# Allegro board ADRV9371-N_PCBZ_Layout_RevB.brd (continued)
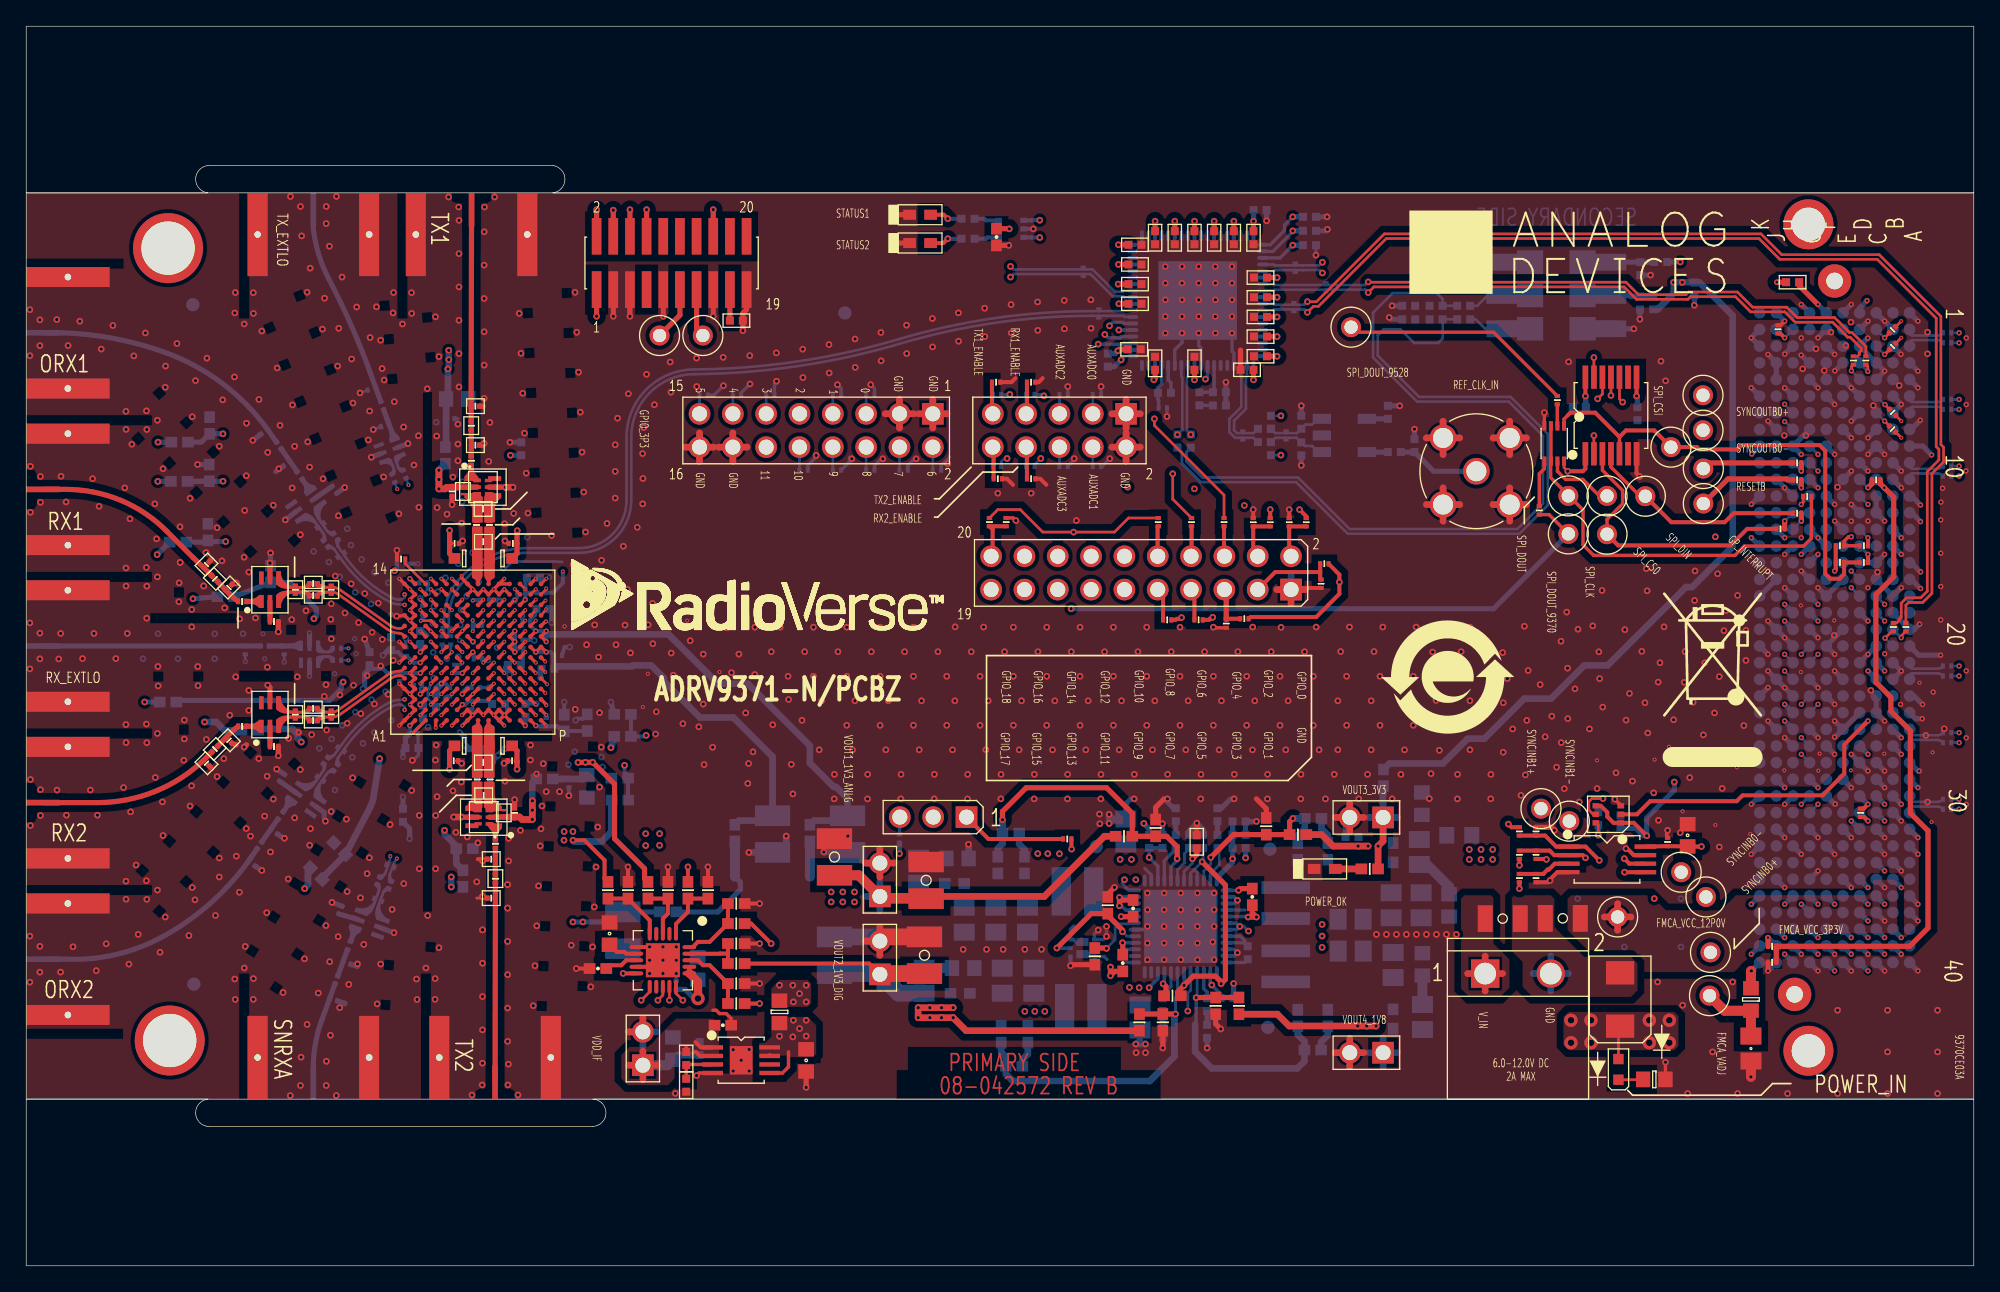
[diagram p0: board, top side]
## Routing (per net, layer and track width the routed paths; a pad name or vN(x,y) marks a point on that pad's centre or on a via; arc(x,y) is an arc through that point) (continued)
  BOTTOM w0.394: v2(134.02,49.15) P801.H20
GPIO_2: length 123.6
  TOP w0.254: U101.J7 v6(34.84,45.98)
  TOP w0.305: P502.4 93.52,54.43 R515.1 R511.2
  L7_SIG w0.114: P502.4 94.97,55.2 98.28,55.2 102.54,50.94 123.76,50.94 124.05,51.23 129.81,51.23 130.21,51.64 130.66,51.64 131.2,51.1 135.88,51.1 v2(136.56,50.42)
  L8_SIG w0.114: v6(34.84,45.98) 34.68,45.82 34.68,43.99 36.33,42.34 36.71,42.34 37.41,41.64 39.95,41.64 41.41,40.18 46.49,40.18 47.77,38.9 53.6,38.9 54.54,39.84 84.89,39.84 88.04,43 88.04,43.5 90.99,46.46 90.99,49 92.47,50.47 92.47,52.69 P502.4
  BOTTOM w0.394: v2(136.56,50.42) P801.G18
GPIO_3: length 119.7
  TOP w0.254: U101.K7 v6(36.44,46.78)
  TOP w0.305: R514.1 91.51,49.32 R510.2
  TOP w0.394: P502.5 91.46,51.41 R514.1
  L7_SIG w0.114: v2(136.56,49.15) 134.83,47.42 134.22,47.42 134.22,47.42 133.83,47.42 133.83,47.42 119.01,47.42 118.68,47.09 116.16,47.09 115.72,47.53 95.33,47.53 94,48.87 94,48.9 93.69,49.2 93.67,49.2 P502.5
  L8_SIG w0.114: P502.5 91.32,51.23 89.23,49.13 89.23,47.1 83.37,41.25 83.37,40.99 83.07,40.68 62.33,40.68 62.33,40.69 52.33,40.69 52.21,40.57 48.77,40.57 48.26,41.07 41.28,41.07 40.01,42.34 37.2,42.34 36.9,42.64 36.9,42.79 36.58,43.11 36.43,43.11 36.08,43.46 36.08,43.61 35.78,43.91 35.63,43.91 35.3,44.24 35.3,44.52 35.63,44.84 35.78,44.84 35.97,45.04 35.97,45.28 36.44,45.75 v6(36.44,46.78)
  BOTTOM w0.394: v2(136.56,49.15) P801.G19
GPIO_3P3_0: length 59.1
  TOP w0.254: v6(29.35,40.63) 29.49,40.63 U101.C1
  L8_SIG w0.114: P503.5 64.02,66.09 61.48,68.63 50.05,68.63 49.67,68.25 48.78,68.25 48.52,68.5 46.49,68.5 40.65,62.66 40.65,61.26 39.13,59.74 38.81,59.74 33.54,54.46 33.54,52.19 31.66,50.31 31.5,50.31 31.3,50.12 31.3,49.92 30.09,48.71 29.9,48.71 29.7,48.52 29.7,48.36 29.4,48.05 29.39,48.05 29.38,48.04 29.23,48.04 28.79,47.6 28.79,44.07 28.46,43.74 28.46,41.93 28.85,41.53 28.85,41.02 29.24,40.63 v6(29.35,40.63)
  BOTTOM w0.203: P503.5 64.02,66.37
GPIO_3P3_1: length 52.3
  TOP w0.254: U101.C2 v6(30.04,41.98)
  L8_SIG w0.114: v6(30.04,41.98) 29.65,42.36 29.65,47.72 29.97,48.04 30.18,48.04 30.5,48.36 30.5,48.52 30.7,48.71 30.89,48.71 31.3,49.12 31.3,49.32 31.5,49.51 31.69,49.51 32.04,49.86 32.04,50.11 34.05,52.12 34.05,53.64 36.3,55.89 36.55,55.89 37.47,56.82 39.51,56.82 40.65,57.96 40.65,59.23 43.06,61.64 43.06,63.67 44.97,65.58 45.86,65.58 47.51,67.23 50.3,67.23 50.81,67.74 56.14,67.74 57.41,66.47 59.95,66.47 P503.7
  BOTTOM w0.203: P503.7 61.48,66.37
GPIO_3P3_2: length 43
  TOP w0.254: U101.F1 v6(32.44,41.18)
  L8_SIG w0.114: P503.9 57.67,63.67 57.67,62.1 49.84,54.28 45.35,54.28 43.44,52.37 40.47,52.37 40.12,52.72 37.44,52.72 36.84,52.12 36.84,50.6 36.56,50.31 36.3,50.31 36.1,50.12 36.1,49.85 35.76,49.51 35.5,49.51 35.3,49.32 35.3,49.05 35.04,48.79 34.78,48.79 34.37,48.39 34.37,48.24 34.18,48.04 33.95,48.04 33.57,47.66 33.57,47.44 33.38,47.24 33.23,47.24 32.9,46.92 32.9,46.91 32.85,46.86 32.85,44.31 32.45,43.91 32.3,43.91 32.1,43.72 32.1,41.51 v6(32.44,41.18)
GPIO_3P3_3: length 44.8
  TOP w0.254: v6(31.2,41.01) 31.2,41.54 U101.D1
  L8_SIG w0.114: v6(31.2,41.01) 30.43,41.79 30.43,47.64 30.83,48.04 30.98,48.04 31.3,48.36 31.3,48.52 31.5,48.71 31.66,48.71 32.9,49.96 32.9,50.12 33.1,50.31 33.25,50.31 33.7,50.76 33.7,50.85 33.9,51.05 33.99,51.05 34.5,51.56 34.5,52.83 36.41,54.74 36.7,54.74 36.98,55.01 40.24,55.01 45.98,60.75 45.98,61.9 50.3,66.21 55.13,66.21 P503.11
  BOTTOM w0.203: P503.11 C525.1
GPIO_3P3_4: length 40.6
  TOP w0.254: U101.E1 v6(31.64,41.18)
  L8_SIG w0.114: v6(31.64,41.18) 31.25,41.56 31.25,43.66 31.5,43.91 31.72,43.91 32.05,44.24 32.05,46.95 33.14,48.04 33.38,48.04 33.57,48.24 33.57,48.6 33.82,48.84 34.15,48.84 34.37,49.07 34.37,49.27 34.71,49.6 34.96,49.6 35.3,49.94 35.3,50.12 35.5,50.31 35.67,50.31 35.97,50.62 35.97,52.65 37.35,54.02 42.94,54.02 44.46,55.55 46.75,55.55 52.59,61.39 52.59,63.67 P503.13
  BOTTOM w0.203: P503.13 C526.1
GPIO_3P3_5: length 35
  TOP w0.254: U101.D5 v6(30.84,44.38)
  L8_SIG w0.114: P503.15 48.65,62.28 48.65,60.93 44.82,57.1 44.06,57.1 43.75,56.8 43.75,56.33 41.95,54.53 36.98,54.53 35.3,52.85 35.3,50.76 34.98,50.44 34.65,50.44 33.57,49.36 33.57,49.04 33.38,48.84 33.05,48.84 32.77,48.56 32.77,48.24 32.58,48.04 32.25,48.04 31.23,47.02 31.23,44.77 v6(30.84,44.38)
  BOTTOM w0.203: P503.15 C527.1
GPIO_3P3_6: length 56.1
  TOP w0.254: U101.E14 v6(31.64,52.38)
  L5_SIG w0.114: P503.2 67.95,63.55 63.38,63.55 62.75,62.91 62.75,62.07 62.41,61.73 62.41,61.68 61.99,61.26 58.18,61.26 57.54,61.9 57.54,65.39 56.84,66.09 49.36,66.09 49.36,66.08 48.16,66.08 48.09,66.15 46.68,66.15 46.49,65.96 46.11,65.96 46.1,65.96 45.68,65.96 45.67,65.96 39.17,65.96 34.43,61.22 34.43,60.63 32.97,59.17 32.97,57.46 32.3,56.78 32.23,56.78 31.7,56.24 31.7,55.5 32.58,54.62 32.58,52.86 32.43,52.71 32.3,52.71 31.96,52.38 v6(31.64,52.38)
  BOTTOM w0.203: P503.2 C528.1
GPIO_3P3_7: length 56.9
  TOP w0.254: U101.D12 v6(30.84,50.78)
  L8_SIG w0.114: P503.4 67.83,63.67 67.83,65.32 66.68,66.47 66.43,66.47 61.99,70.91 55.13,70.91 53.98,69.77 44.71,69.77 39.89,64.94 39.89,63.46 34.71,58.28 34.71,57.42 33.7,56.41 33.7,56.4 33.4,56.1 33.39,56.1 33.06,55.77 33.05,55.77 32.75,55.47 32.75,55.04 32.85,54.94 32.85,52.31 32.58,52.04 32.42,52.04 31.97,51.59 31.97,51.44 31.77,51.23 31.29,51.23 v6(30.84,50.78)
  BOTTOM w0.203: P503.4 66.56,60.65
GPIO_3P3_8: length 43.6
  TOP w0.254: U101.D13 v6(30.84,51.58)
  L5_SIG w0.114: v6(30.84,51.58) 31.21,51.95 33.02,51.95 34.3,53.23 34.3,57.9 36.7,60.3 37.21,60.3 38.05,61.13 48.52,61.13 49.03,60.63 63,60.63 64.02,61.64 P503.6
  BOTTOM w0.203: P503.6 64.02,60.65
GPIO_3P3_9: length 62
  TOP w0.254: U101.C13 v6(30.04,51.58)
  L5_SIG w0.114: P503.8 61.48,63.04 62.62,64.18 62.62,65.45 59.83,68.25 48.78,68.25 47.97,67.44 40.13,67.44 39.52,68.06 36.27,68.06 33.85,70.47 30.87,70.47 29.25,68.85 29.25,67.26 28.42,66.43 27.82,66.43 27.49,66.1 27.49,60.93 27.81,60.6 27.81,58.71 28.97,57.55 28.97,53.19 30.04,52.12 v6(30.04,51.58)
  BOTTOM w0.203: P503.8 61.48,60.65
GPIO_3P3_10: length 54.5
  TOP w0.254: U101.D14 v6(30.84,52.38)
  L5_SIG w0.114: P503.10 60.21,63.67 60.21,65.45 59.15,66.51 50.89,66.51 50.29,67.11 48.93,67.11 48.8,66.98 45.68,66.98 45.48,66.79 39.7,66.79 38.93,67.55 30.46,67.55 28.2,65.29 28.2,61.29 29.68,59.81 29.68,59.1 29.34,58.76 29.34,53.46 30.42,52.38 v6(30.84,52.38)
  BOTTOM w0.203: P503.10 C532.1
GPIO_3P3_11: length 32.7
  TOP w0.254: U101.F14 v6(32.44,52.38)
  L5_SIG w0.114: v6(32.44,52.38) 32.59,52.38 32.85,52.63 32.85,52.73 33.8,53.68 33.8,58.61 36.2,61.01 36.9,61.01 37.79,61.9 38.74,61.9 40.23,63.38 47.28,63.38 47.57,63.67 55.13,63.67 P503.12
GPIO_4: length 119.4
  TOP w0.254: U101.K6 v6(36.44,45.18)
  TOP w0.305: P502.6 91.29,54.11 R524.1
  L7_SIG w0.114: P502.6 90.18,52.94 90.18,50.47 94.88,45.77 113.42,45.77 113.72,46.07 117.69,46.07 118.31,45.45 130.47,45.45 133.12,42.8 v2(134.02,42.8)
  L8_SIG w0.114: P502.6 90.12,52.88 90.12,50.66 88.45,49 88.45,48.46 88.15,48.16 87.62,48.16 83.72,44.26 62.93,44.26 61.22,42.55 55.55,42.55 55.44,42.66 54.18,42.66 53.48,41.96 49.67,41.96 49.36,41.65 41.47,41.65 39.87,43.24 38.98,43.24 37.1,43.24 36.9,43.44 36.9,43.59 36.58,43.91 36.41,43.91 36.1,44.22 36.1,44.52 36.44,44.86 v6(36.44,45.18)
  BOTTOM w0.394: v2(134.02,42.8) P801.H25
GPIO_5: length 112.3
  TOP w0.254: U101.K5 v6(36.44,44.38)
  TOP w0.305: R522.1 89.04,51.29 P502.7
  L7_SIG w0.114: P502.7 88.78,48.94 90.56,47.16 90.56,46.53 93.48,43.61 107.23,43.61 107.24,43.61 107.66,43.61 107.67,43.61 117.69,43.61 117.83,43.46 118.26,43.46 118.93,44.14 122.41,44.14 122.69,43.86 131.19,43.86 133.53,41.53 v2(134.02,41.53)
  L8_SIG w0.097: 39.51,43.99 39.89,43.99
  L8_SIG w0.114: v6(36.44,44.38) 36.76,44.38 37.15,43.99 39.51,43.99 ; 39.89,43.99 40.78,43.1 49.67,43.1 49.92,43.35 53.6,43.35 54.3,44.05 59.88,44.05 61.42,45.58 82.25,45.58 84.46,47.8 85.35,47.8 88.78,51.23 P502.7
  BOTTOM w0.394: v2(134.02,41.53) P801.H26
GPIO_6: length 120.8
  TOP w0.254: U101.L5 v6(37.24,44.38)
  TOP w0.305: R523.1 88.82,54.12 P502.8
  L7_SIG w0.114: P502.8 90.62,55.93 98.94,55.93 102.88,51.99 128.92,51.99 129.29,52.36 136.55,52.36 137.03,51.88 137.03,51.84 141.11,47.76 141.11,45.87 v2(141.64,45.34)
  L8_SIG w0.114: v6(37.24,44.38) 37.61,44.75 39.89,44.75 40.52,44.12 49.28,44.12 49.85,44.68 55.19,44.68 55.32,44.56 56.96,44.56 57.85,45.45 59.77,45.45 60.4,46.09 79.66,46.09 80.16,46.59 80.16,46.71 82.65,49.19 82.81,49.19 82.81,49.2 86.1,49.2 86.21,49.31 86.21,49.55 87.64,50.97 87.64,52.94 P502.8
  BOTTOM w0.394: v2(141.64,45.34) P801.C22
GPIO_7: length 119.8
  TOP w0.254: U101.L6 v6(37.24,45.18)
  TOP w0.305: R519.1 86.65,51.14 P502.9
  L7_SIG w0.114: P502.9 86.24,48.94 89.54,45.64 89.54,45 90.43,44.12 91.07,44.12 93.1,42.08 113.42,42.08 113.74,42.41 119.61,42.41 120.06,41.96 121.57,41.96 121.95,42.34 127.14,42.34 127.85,41.63 130.64,41.63 130.7,41.69 131.31,41.69 132.07,40.93 134.49,40.93 135.65,42.08 137.99,42.08 140.37,44.46 v2(140.37,45.34)
  L8_SIG w0.114: v6(37.24,45.18) 37.7,45.64 38.7,45.64 39.76,45.64 40.65,44.75 47.18,44.75 47.21,44.72 48.24,44.72 49.6,46.08 59.38,46.08 60.72,47.42 77.61,47.42 79.76,49.57 79.85,49.57 80.15,49.87 80.15,49.96 80.53,50.34 85.04,50.34 P502.9
  BOTTOM w0.394: P801.C23 v2(140.37,45.34)
GPIO_8: length 146.8
  TOP w0.254: U101.L12 v6(37.24,50.78)
  TOP w0.305: R520.1 86.23,56.32 86.23,54.1 P502.10
  L5_SIG w0.091: P502.10 86.24,55.32 85.93,55.64 85.93,55.89 85.97,55.93 97.29,55.93 99.2,54.02 102.88,54.02 103.13,53.77 123.86,53.77 124.11,53.51 129.95,53.51 131.22,52.24 136.81,52.24 138.81,50.25 138.81,42.57 138.5,42.26 135.96,42.26 135.77,42.45 135.77,43.14 135.64,43.27 135.03,43.27 134.77,43.01 134.77,42.14 134.65,42.01 132.24,42.01 132.12,42.14 132.12,44.42 132.24,44.55 133.37,44.55 133.5,44.42 133.5,43.61 133.63,43.48 134.37,43.48 134.5,43.61 134.5,44.42 134.62,44.55 135.82,44.55 135.94,44.42 135.94,43.74 136.07,43.62 137.23,43.62 137.35,43.49 137.35,42.93 137.23,42.8 v2(136.56,42.8)
  L10_SIG w0.091: P502.10 85.04,52.88 85.04,51.06 83.34,49.37 79.99,49.37 79.95,49.33 79.32,49.33 79.28,49.37 73.44,49.37 70.11,52.7 46.16,52.7 44.46,54.4 37.96,54.4 37.05,53.49 37.05,52.34 37.63,51.75 37.63,51.17 v6(37.24,50.78)
  BOTTOM w0.203: v2(136.56,42.8) P801.G25
GPIO_9: length 117.5
  TOP w0.254: U101.K12 v6(36.44,50.78)
  L5_SIG w0.091: v2(134.02,46.61) 134.02,46.12 134.24,45.9 134.4,45.9 134.5,46 134.5,46.8 134.18,47.13 127.92,47.13 124.52,50.53 115.62,50.53 115.05,49.96 85.72,49.96 84.82,50.86 84.82,52.18 84.27,52.73 84.05,52.73 83.7,52.37 P502.11
  L10_SIG w0.091: v6(36.44,50.78) 36.08,51.13 36.08,51.78 35.85,52.01 35.76,52.01 35.66,52.1 35.66,56.68 37.05,58.06 40.57,58.06 41.43,57.2 68.37,57.2 72.87,52.69 83.83,52.69 83.95,52.56 83.95,51.67 83.83,51.55 P502.11
  BOTTOM w0.203: v2(134.02,46.61) P801.H22
GPIO_10: length 117.5
  TOP w0.254: U101.J12 v6(35.64,50.78)
  L5_SIG w0.091: P502.12 83.7,53.4 84.12,52.98 84.38,52.98 85.07,52.29 85.07,50.97 85.83,50.21 114.94,50.21 115.52,50.79 124.63,50.79 128.03,47.38 134.28,47.38 134.76,46.91 134.76,45.89 134.51,45.65 134.33,45.65 v2(134.02,45.34)
  L10_SIG w0.091: v6(35.64,50.78) 35.31,51.1 35.31,51.77 35.41,51.87 35.41,56.78 36.94,58.31 40.67,58.31 41.54,57.45 68.47,57.45 72.98,52.94 83.61,52.94 83.7,53.03 P502.12
  BOTTOM w0.203: v2(134.02,45.34) P801.H23
GPIO_11: length 117.9
  TOP w0.254: U101.H12 v6(34.84,50.78)
  L5_SIG w0.091: P502.13 81.16,52.46 81.39,52.69 81.84,52.69 82.59,53.45 82.59,54.61 83.21,55.22 84.39,55.22 84.88,54.74 84.88,53.4 85.6,52.68 102.69,52.68 103.29,52.08 128.19,52.08 130.6,49.67 134.3,49.67 135.62,48.35 135.62,46.94 v2(135.29,46.61)
  L7_SIG w0.091: v6(34.84,50.78) 34.85,50.78 34.86,50.79 35.12,50.79 35.52,50.39 39.71,50.39 39.92,50.59 39.92,50.76 40.06,50.9 44.38,50.9 45.86,52.37 70.11,52.37 73.48,55.74 78.66,55.74 79.75,54.64 79.75,53.07 80.14,52.69 81.88,52.69 82.01,52.56 82.01,51.67 81.88,51.55 P502.13
  BOTTOM w0.203: P801.G21 v2(135.29,46.61)
GPIO_12: length 117.8
  TOP w0.254: U101.H11 v6(34.84,49.98)
  L5_SIG w0.091: v2(136.56,46.61) 135.88,47.29 135.88,48.46 134.41,49.92 130.7,49.92 128.29,52.34 103.4,52.34 102.8,52.94 85.71,52.94 85.13,53.51 85.13,54.84 84.5,55.48 83.1,55.48 82.34,54.72 82.34,53.55 81.73,52.94 81.38,52.94 81.16,53.16 P502.14
  L7_SIG w0.091: v6(34.84,49.98) 34.84,50.31 34.51,50.63 34.51,50.91 34.75,51.15 44.28,51.15 45.75,52.62 70.01,52.62 73.37,55.99 78.77,55.99 80.01,54.75 80.01,53.18 80.24,52.94 81.07,52.94 81.16,53.03 P502.14
  BOTTOM w0.203: P801.G22 v2(136.56,46.61)
GPIO_13: length 121.9
  TOP w0.254: U101.J11 v6(35.64,49.98)
  L7_SIG w0.091: P502.15 78.62,52.6 78.53,52.69 77.85,52.69 77.54,52.38 77.54,51.03 76.12,49.62 75.42,49.62 73.48,47.67 52.21,47.67 51.6,48.28 49.44,48.28 49.09,47.93 42.55,47.93 42.02,47.4 39.99,47.4 39.79,47.2 39.48,47.2 39.26,47.42 38.77,47.42 38.14,48.05 37.9,48.05 37.71,48.24 37.71,48.48 37.34,48.85 37.1,48.85 36.91,49.04 36.91,49.31 36.83,49.39 36.7,49.39 36.54,49.54 36.07,49.54 v6(35.64,49.98)
  L8_SIG w0.091: v2(136.56,35.18) 136.15,34.77 136.15,34.2 135.45,33.49 130.23,33.49 128.36,35.36 125.52,35.36 113.21,47.67 102.75,47.67 97.78,52.65 95.87,52.65 94.96,53.56 94.96,54.59 94.14,55.42 85.82,55.42 85.13,54.74 85.13,53.41 84.42,52.7 79.29,52.7 78.62,52.03 P502.15
  BOTTOM w0.203: v2(136.56,35.18) P801.G31
GPIO_14: length 121.8
  TOP w0.254: U101.K11 v6(36.44,49.98)
  L7_SIG w0.091: v6(36.44,49.98) 36.47,49.98 36.8,49.64 36.94,49.64 37.08,49.5 37.37,49.5 37.56,49.31 37.56,48.99 37.85,48.7 38.17,48.7 38.36,48.51 38.36,48.19 38.88,47.67 39.2,47.67 39.48,47.95 39.79,47.95 40.1,47.65 41.92,47.65 42.45,48.18 48.98,48.18 49.34,48.54 51.7,48.54 52.31,47.93 73.37,47.93 75.32,49.87 76.02,49.87 77.29,51.14 77.29,52.49 77.74,52.94 78.97,52.94 79.1,53.07 79.1,53.96 78.97,54.09 P502.16
  L8_SIG w0.091: P502.16 78.62,53.62 79.29,52.95 84.32,52.95 84.88,53.52 84.88,54.84 85.71,55.67 94.24,55.67 95.22,54.7 95.22,53.66 95.98,52.9 97.88,52.9 102.86,47.93 113.31,47.93 125.62,35.62 128.46,35.62 130.34,33.74 135.34,33.74 135.9,34.3 135.9,34.87 135.59,35.18 v2(135.29,35.18)
  BOTTOM w0.203: v2(135.29,35.18) P801.G30
GPIO_15: length 147
  TOP w0.254: U101.L11 v6(37.24,49.98)
  L5_SIG w0.091: P502.17 76.84,51.55 78.17,52.88 79.1,52.88 79.86,53.64 79.86,54.84 81.01,55.99 85.67,55.99 85.86,56.18 97.4,56.18 99.3,54.28 102.98,54.28 103.24,54.02 123.96,54.02 124.22,53.77 130.06,53.77 131.33,52.5 136.91,52.5 139.06,50.35 139.06,42.46 138.6,42 135.86,42 135.29,42.57 v2(135.29,42.8)
  L10_SIG w0.091: v6(37.24,49.98) 36.88,49.98 36.79,50.07 36.79,53.59 37.86,54.66 44.56,54.66 46.27,52.96 70.21,52.96 73.55,49.62 79.39,49.62 79.43,49.58 79.85,49.58 79.89,49.62 83.2,49.62 83.33,49.75 83.33,50.26 83.2,50.39 80.46,50.39 80.08,50.77 79.52,50.77 79.06,50.31 78.17,50.31 77.74,50.74 77.13,50.74 76.65,50.26 75.08,50.26 74.88,50.47 74.88,51.35 75.07,51.55 P502.17
  BOTTOM w0.203: P801.G24 v2(135.29,42.8)
GPIO_16: length 112.5
  TOP w0.254: U101.M11 v6(38.04,49.98)
  L5_SIG w0.091: P502.18 74.72,52.72 74.72,52.59 74.9,52.41 75.03,52.41 75.52,52.9 76.36,52.9 77.27,53.81 77.27,55.46 79.37,57.56 80.35,57.56 80.9,57.02 103.04,57.02 104.76,55.29 114.58,55.29 116.49,57.2 122.03,57.2 122.54,56.69 132.34,56.69 132.72,56.32 135.51,56.32 136.06,55.77 136.06,54.32 136.15,54.23 v2(136.56,54.23)
  L7_SIG w0.091: v6(38.04,49.98) 38.35,49.98 38.82,49.5 40.83,49.5 41.03,49.7 47.78,49.7 48.8,50.72 70.29,50.72 72.56,52.99 74.98,52.99 P502.18
  BOTTOM w0.394: P801.G16 v2(136.56,54.23)
GPIO_17: length 112.5
  TOP w0.254: U101.M10 v6(38.04,49.18)
  L5_SIG w0.091: v2(135.29,54.23) 135.8,54.74 135.8,55.67 135.4,56.06 132.61,56.06 132.24,56.43 122.44,56.43 121.93,56.94 116.59,56.94 114.69,55.04 104.66,55.04 102.93,56.76 80.79,56.76 80.25,57.31 79.48,57.31 77.52,55.36 77.52,53.71 76.46,52.65 75.63,52.65 74.53,51.55 P502.19
  L7_SIG w0.091: P502.19 74.89,51.55 74.99,51.64 74.99,52.57 74.83,52.73 72.66,52.73 70.4,50.47 48.9,50.47 47.89,49.45 41.14,49.45 40.93,49.25 40.02,49.25 39.94,49.16 39.94,48.98 39.75,48.79 39.47,48.79 39.22,49.04 39.16,49.04 38.91,48.79 38.77,48.79 38.38,49.18 v6(38.04,49.18)
  BOTTOM w0.394: P801.G15 v2(135.29,54.23)
GPIO_18: length 125.2
  TOP w0.254: U101.J3 v6(35.64,43.58)
  TOP w0.305: R518.1 R521.1 73.66,56.13 73.66,54.2 P502.20
  L5_SIG w0.114: v2(140.37,58.04) 137.15,61.26 130.44,61.26 129.36,62.34 127.12,62.34 124.97,64.49 105.22,64.49 100.59,59.86 87.17,59.86 87.16,59.87 79.26,59.87 73.54,54.15 P502.20
  L8_SIG w0.097: 39.41,46.38 39.76,46.38
  L8_SIG w0.114: 39.76,46.38 39.78,46.38 40.52,45.64 47.36,45.64 48.95,47.22 50.3,47.22 50.39,47.13 51.38,47.13 51.39,47.14 54.1,47.14 54.29,47.32 59.6,47.32 60.33,48.05 67.72,48.05 73.54,53.87 P502.20 ; v6(35.64,43.58) 35.47,43.58 35.01,44.04 35.01,45.68 35.19,45.85 35.19,46.02 36.28,47.11 36.58,47.11 36.85,46.84 36.85,46.62 37.08,46.38 39.41,46.38
  BOTTOM w0.203: P801.D12 139.74,58.63 139.88,58.49 139.92,58.49 v2(140.37,58.04)
INPUT_VOLTAGE: length 42.1
  TOP w0.203: CR701.C 121.36,18.14 DS701.A
  TOP w0.305: R602.2 v1(55.9,19.99)
  L7_SIG w0.114: v1(55.9,19.99) 56.41,19.48 60.21,19.48 62.37,17.32 80.18,17.32 v1(84.09,21.22)
  BOTTOM w0.254: U701.36 84.03,28.62 83.53,29.12 ; U701.6 92.24,26.12 v1(92.49,25.87) ; U701.22 86.25,21.86 v1(85.59,21.2) ; v1(93.15,25.51) 92.8,25.87 v1(92.49,25.87) ; U701.7 92.24,25.62 v1(92.49,25.87) ; U701.38 85.75,29.8 85.26,30.29
  BOTTOM w0.394: R709.1 v1(92.94,31.09)
  vias: v1(83.38,30.98) v1(83.71,29.43) v1(84.24,30.98) v1(84.57,29.43) v1(84.82,21.2) v1(98.77,26.02) v1(98.77,25.13) v1(98.77,24.27) v7(117.74,18.72) v7(117.74,17) v7(119.26,18.72) v7(119.26,17) v7(123.71,18.72) v7(123.71,17) v7(125.23,18.72) v7(125.23,17)
JTAG_TDI: length 1.6
  TOP w0.305: R815.2 140.04,34.85 v2(140.37,35.18)
  BOTTOM w0.394: v2(140.37,35.18) P801.D30
JTAG_TDO: length 1.6
  TOP w0.305: R815.1 140.07,34.21 v2(140.37,33.91)
  BOTTOM w0.394: v2(140.37,33.91) P801.D31
LDO_VCO_2P5: length 3.4
  BOTTOM w0.254: C413.1 86.31,65.96 86.26,66.01 C412.1 86.26,66.94 86.55,67.23 86.55,67.74 86.54,67.75 86.54,68.07 U401.15
LF_EXT_CAP: length 3.1
  BOTTOM w0.203: 90.4,66.59 C410.2
  BOTTOM w0.254: U401.7 90.54,67.88 90.54,66.69 C410.2 ; R415.2 89.95,66.58 89.96,66.59 90.4,66.59
LF_PLL2: length 2.2
  BOTTOM w0.254: C412.2 87.25,67.31 87.04,67.52 U401.14
ORX1+: length 7.6
  BOTTOM w0.203: C232.2 L232.1 24,53.89 arc(24.06,53.79) 24.13,53.7 arc(25.74,51.94) 27.71,50.6 arc(28.06,50.47) 28.43,50.42 arc(28.64,50.41) v5(28.84,50.38) ; 23.26,54.75 C231.2 23.26,54.75 ; 23.26,54.75 arc(23.39,54.7) 23.49,54.6 ; 23.26,54.75 arc(23.39,54.7) 23.49,54.6
ORX1-: length 7.5
  BOTTOM w0.203: C232.1 L232.2 24.29,54.09 arc(24.35,54) 24.42,53.9 arc(25.98,52.21) 27.87,50.92 arc(28.14,50.81) 28.43,50.78 arc(28.52,50.78) 28.61,50.8 arc(28.71,50.85) 28.8,50.91 arc(28.86,51.04) v5(28.84,51.18) ; 23.72,55.07 C230.2 23.72,55.07 arc(23.72,54.93) 23.78,54.8 arc(23.72,54.93) 23.72,55.07
ORX2+: length 7
  BOTTOM w0.203: R239.2 23.72,38.48 arc(23.72,38.62) 23.78,38.75 ; C240.2 L240.1 24.29,39.46 arc(25.89,41.26) 27.87,42.64 arc(28.14,42.74) 28.43,42.78 arc(28.52,42.77) 28.61,42.75 arc(28.71,42.71) 28.8,42.64 arc(28.86,42.51) v5(28.84,42.38)
ORX2-: length 7.1
  BOTTOM w0.203: C240.1 L240.2 24,39.66 arc(25.65,41.53) 27.71,42.95 arc(28.06,43.09) 28.43,43.13 arc(28.64,43.14) v5(28.84,43.18) ; C238.2 23.26,38.81 arc(23.39,38.86) 23.49,38.95
OUT: length 4.9
  BOTTOM w0.203: Y401.4 Y403.3 Y402.4 111.2,71.42 110.48,72.15 R410.1
RESETB: length 117.3
  TOP w0.254: U101.J4 v6(35.64,44.38)
  TOP w0.394: R802.1 128.26,61.2 TP804.1
  L5_SIG w0.114: TP804.1 127.59,61.01 118.63,61.01 117.35,59.73 117.1,59.73 113.55,56.18 106.31,56.18 103.8,58.69 79.1,58.69 74.81,54.4 74.81,53.64 74.09,52.92 v5(40.9,52.92) 40.83,52.92 39.89,51.98 38.65,51.98 38.44,51.78 38.44,48.22 39.23,47.44 39.23,46.62 39.22,46.61 39.22,45.04 39,44.81 38.74,44.81 38.44,44.51 38.44,44.23 38.14,43.93 36.08,43.93 v6(35.64,44.38)
  BOTTOM w0.305: R502.2 40.16,51.31 40.9,52.05 v5(40.9,52.92)
RX1+: length 7.9
  TOP w0.203: C207.1 L207.1 ; L207.1 arc(23.16,51.34) 23.07,51.36 arc(22.61,51.29) 22.2,51.08 ; L207.1 arc(23.52,51.32) 23.76,51.2 27.51,48.53 arc(27.95,48.3) 28.44,48.22 arc(28.58,48.19) 28.7,48.11 U101.A9
RX1-: length 7.9
  TOP w0.203: C207.2 L207.2 ; L207.2 arc(23.51,51.71) 23.75,51.61 23.96,51.49 27.72,48.82 27.73,48.82 arc(28.06,48.64) 28.44,48.58 28.5,48.58 arc(28.63,48.6) 28.74,48.68 U101.A10 ; L207.2 arc(23.16,51.73) 23.06,51.71 23.07,51.71 23.06,51.72 ; 23.07,51.71 arc(22.61,51.78) C206.2
RX1_ENABLE: length 64.2
  TOP w0.254: U101.M5 v6(38.04,44.38)
  TOP w0.305: R508.1 76.27,65.01 P501.7
  L5_SIG w0.114: P501.7 75.51,64.94 74.3,66.15 73.3,66.15 71.89,64.74 71.89,60.12 69.34,57.56 40.89,57.56 38.36,55.04 37.35,55.04 36.08,53.77 36.08,52.96 35.3,52.19 35.3,47.43 35.49,47.24 35.69,47.24 36.06,46.87 36.06,46.03 36.77,45.32 36.77,45.16 37.2,44.74 37.67,44.74 v6(38.04,44.38)
  BOTTOM w0.203: 76.21,66.42 P501.7
RX2+: length 7.9
  TOP w0.203: 23.06,41.84 23.07,41.84 23.06,41.84 ; 23.06,41.84 arc(23.16,41.82) 23.25,41.81 ; U101.A5 28.74,44.87 arc(28.63,44.95) 28.5,44.97 28.44,44.97 arc(28.06,44.91) 27.73,44.74 27.72,44.73 23.96,42.06 23.75,41.94 arc(23.51,41.84) 23.25,41.81 ; C216.1 23.25,41.81 ; 23.07,41.84 arc(22.61,41.77) 22.2,41.56
RX2-: length 7.9
  TOP w0.203: U101.A6 28.7,45.44 arc(28.58,45.36) 28.44,45.33 arc(27.95,45.25) 27.51,45.02 23.76,42.35 arc(23.52,42.24) 23.25,42.22 ; 23.25,42.22 L216.2 23.25,42.33 ; 23.25,42.22 arc(23.16,42.21) 23.07,42.19 arc(22.61,42.26) 22.2,42.47
RX2_ENABLE: length 53.4
  TOP w0.254: U101.M7 v6(38.04,46.78)
  TOP w0.305: P501.8 76.27,62.34 R509.1
  L5_SIG w0.114: v6(38.04,46.78) 38.37,47.11 38.37,47.72 38.05,48.04 37.9,48.04 37.63,48.31 37.63,48.54 37.63,48.54 37.63,51.88 38.49,52.74 40.09,52.74 41.68,54.33 68.71,54.33 76.21,61.83 P501.8
  BOTTOM w0.203: 76.21,60.93 P501.8
RX_EXTLO+: length 6.7
  TOP w0.203: U101.B8 v6(29.24,47.58)
  L10_SIG w0.091: v6(29.24,47.58) 29.24,46.9 arc(29.19,46.77) 29.06,46.72 28.68,46.72 arc(28.62,46.73) 28.57,46.76 arc(28.42,46.87) 28.23,46.9 24.96,46.9 arc(24.74,46.95) v5(24.56,47.07)
  BOTTOM w0.203: C332.2 v5(24.56,47.07)
RX_EXTLO-: length 6.6
  TOP w0.203: U101.B7 v6(29.24,45.98)
  L10_SIG w0.091: v6(29.24,45.98) 29.24,46.29 arc(29.19,46.41) 29.06,46.47 28.68,46.47 arc(28.52,46.5) 28.39,46.58 arc(28.32,46.63) 28.23,46.65 24.99,46.65 arc(24.68,46.52) 24.56,46.22 v5(24.56,46.15)
  BOTTOM w0.203: C333.2 v5(24.56,46.15)
SERDIN0+: length 3
  BOTTOM w0.203: P801.A26 143.55,40.64 arc(143.61,40.5) 143.75,40.44 145.7,40.44 arc(145.87,40.47) 146.02,40.57 C508.1
SERDIN0-: length 3
  BOTTOM w0.203: C507.1 146.02,39.95 arc(145.87,40.05) 145.7,40.08 143.75,40.08 arc(143.61,40.02) 143.55,39.88 P801.A27
SERDIN1+: length 1.4
  TOP w0.203: v2(141.64,70.74) C510.1
  BOTTOM w0.203: P801.C2 v2(141.64,70.74)
SERDIN1-: length 2.2
  TOP w0.203: C509.1 v2(141.64,69.47) C509.1
  BOTTOM w0.203: 141.19,69.92 P801.C3 141.03,70.1 141.19,69.94 141.19,69.92 ; 141.19,69.92 v2(141.64,69.47)
SERDIN2+: length 3
  BOTTOM w0.203: C512.1 146.02,35.49 arc(145.87,35.39) 145.7,35.36 143.75,35.36 arc(143.61,35.42) 143.55,35.56 P801.A30
SERDIN2-: length 3
  BOTTOM w0.203: C511.1 146.02,34.87 arc(145.87,34.97) 145.7,35 143.75,35 arc(143.61,34.94) 143.55,34.8 P801.A31
SERDIN3+: length 3
  BOTTOM w0.203: P801.A22 143.55,45.72 arc(143.61,45.58) 143.75,45.52 145.7,45.52 arc(145.87,45.55) 146.02,45.65 C514.1
SERDIN3-: length 3
  BOTTOM w0.203: C513.1 146.02,45.03 arc(145.87,45.13) 145.7,45.16 143.75,45.16 arc(143.61,45.1) 143.55,44.96 P801.A23
SERDOUT0+: length 3
  BOTTOM w0.203: P801.A2 143.55,71.12 arc(143.61,70.98) 143.75,70.92 145.7,70.92 arc(145.87,70.95) 146.02,71.05 C516.1
SERDOUT0-: length 3
  BOTTOM w0.203: P801.A3 143.55,70.36 arc(143.61,70.5) 143.75,70.56 145.7,70.56 arc(145.87,70.53) 146.02,70.43 C515.1
SERDOUT1+: length 3
  BOTTOM w0.203: P801.A6 143.55,66.04 arc(143.61,65.9) 143.75,65.84 145.7,65.84 arc(145.87,65.87) 146.02,65.97 C518.1
SERDOUT1-: length 3
  BOTTOM w0.203: P801.A7 143.55,65.28 arc(143.61,65.42) 143.75,65.48 145.7,65.48 arc(145.87,65.45) 146.02,65.35 C517.1
SERDOUT2+: length 1.4
  TOP w0.203: C520.1 141.67,65.63 v2(141.67,65.65)
  BOTTOM w0.203: v2(141.67,65.65) 141.66,65.65 P801.C6
SERDOUT2-: length 1.4
  TOP w0.203: v2(141.64,64.39) C519.1
  BOTTOM w0.203: v2(141.64,64.39) P801.C7
SERDOUT3+: length 3
  BOTTOM w0.203: C522.1 146.02,60.89 arc(145.87,60.79) 145.7,60.76 143.75,60.76 arc(143.61,60.82) 143.55,60.96 P801.A10
SERDOUT3-: length 3
  BOTTOM w0.203: P801.A11 143.55,60.2 arc(143.61,60.34) 143.75,60.4 145.7,60.4 arc(145.87,60.37) 146.02,60.27 C521.1
SNRXA+: length 16.3
  TOP w0.254: U101.E4 v6(31.64,43.58)
  L10_SIG w0.091: v6(31.64,43.58) 31.74,43.47 31.82,43.4 arc(31.96,43.18) 32.01,42.92 32.01,41.99 arc(31.9,41.72) 31.62,41.6 arc(31.54,41.6) 31.47,41.58 arc(31.44,41.57) 31.42,41.56 arc(31.32,41.51) 31.24,41.44 arc(31.02,41.3) 30.76,41.24 30.6,41.24 arc(30.31,41.12) 30.18,40.83 30.18,36.18 arc(30.08,35.64) 29.77,35.17 29.71,35.12 arc(29.36,34.67) 29.11,34.17 arc(28.65,32.82) 28.25,31.47 arc(28.22,31.25) v5(28.25,31.04)
  BOTTOM w0.203: C224.1 L224.1 28.09,30.79 arc(28.16,30.92) v5(28.25,31.04) ; C222.2 27.72,29.55 arc(27.68,29.68) 27.71,29.82
